# Altium PCB TouchBoard.PcbDoc
Units mil, origin at the board's own origin, x right, y up, seen from the top; angles counter-clockwise.
Board outline 1850.39 x 2992.13 mil, 2 copper layers (Top Layer, Bottom Layer); 32 components, 25 nets, 141 pads, 33 vias.
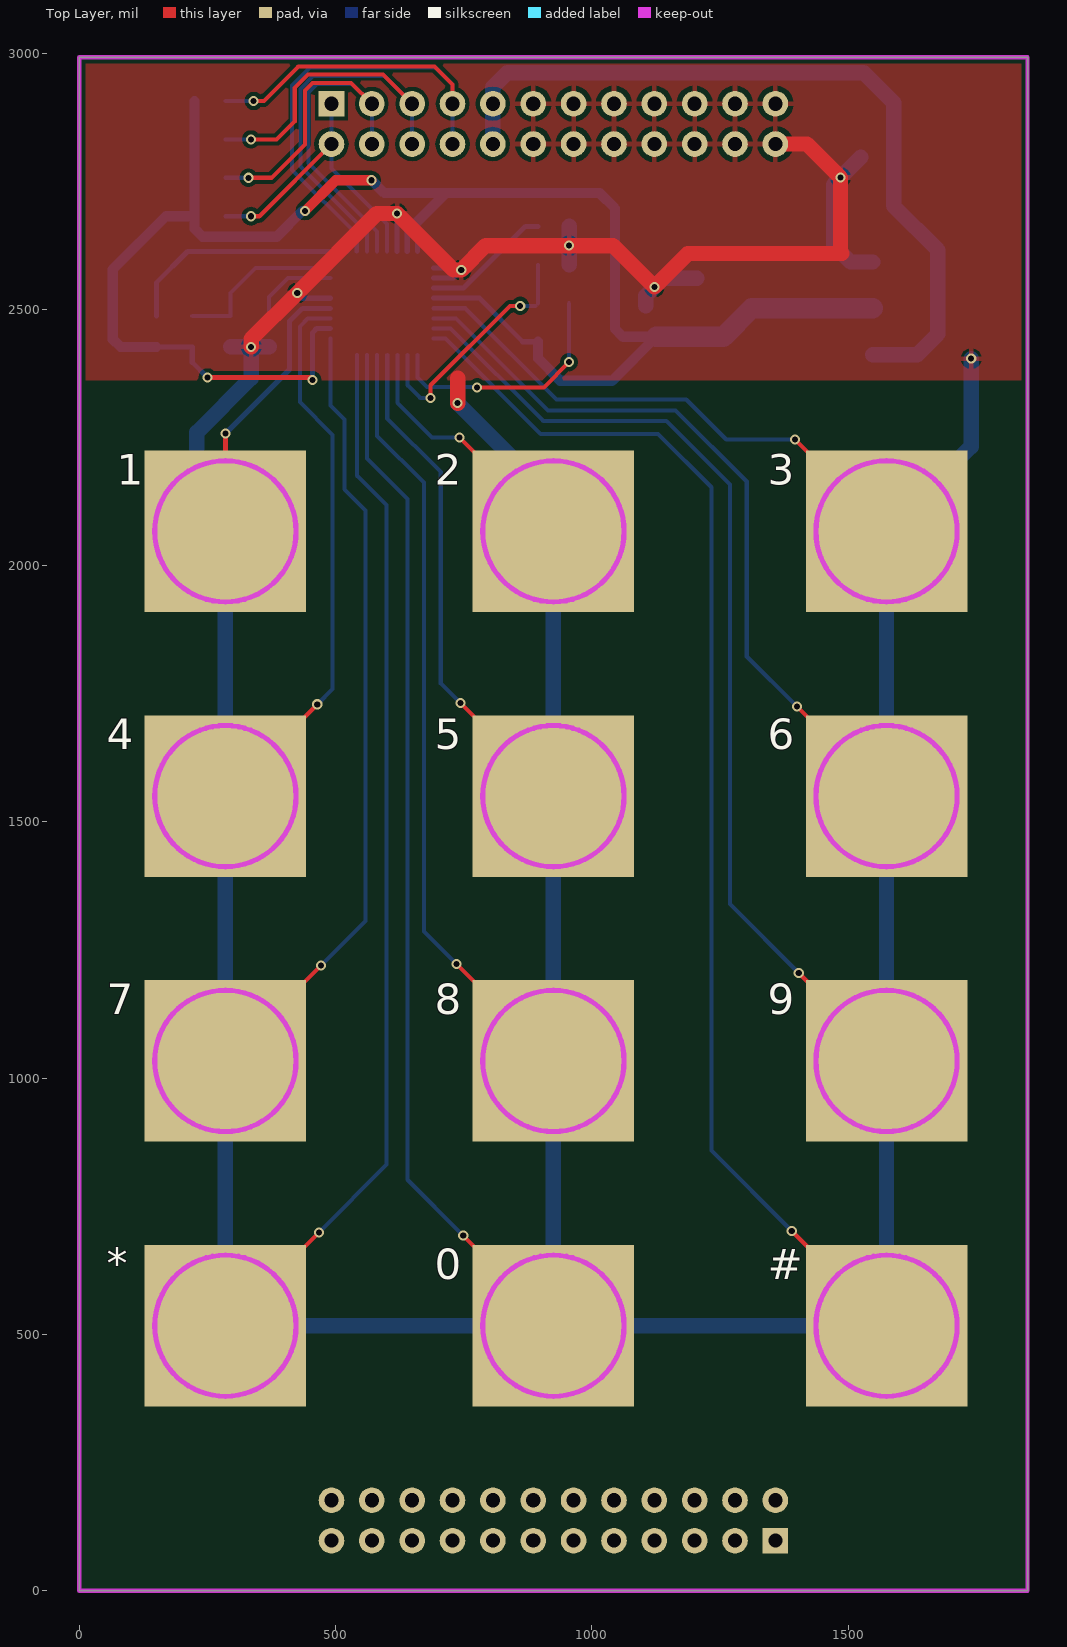
[diagram p0: Top Layer view]
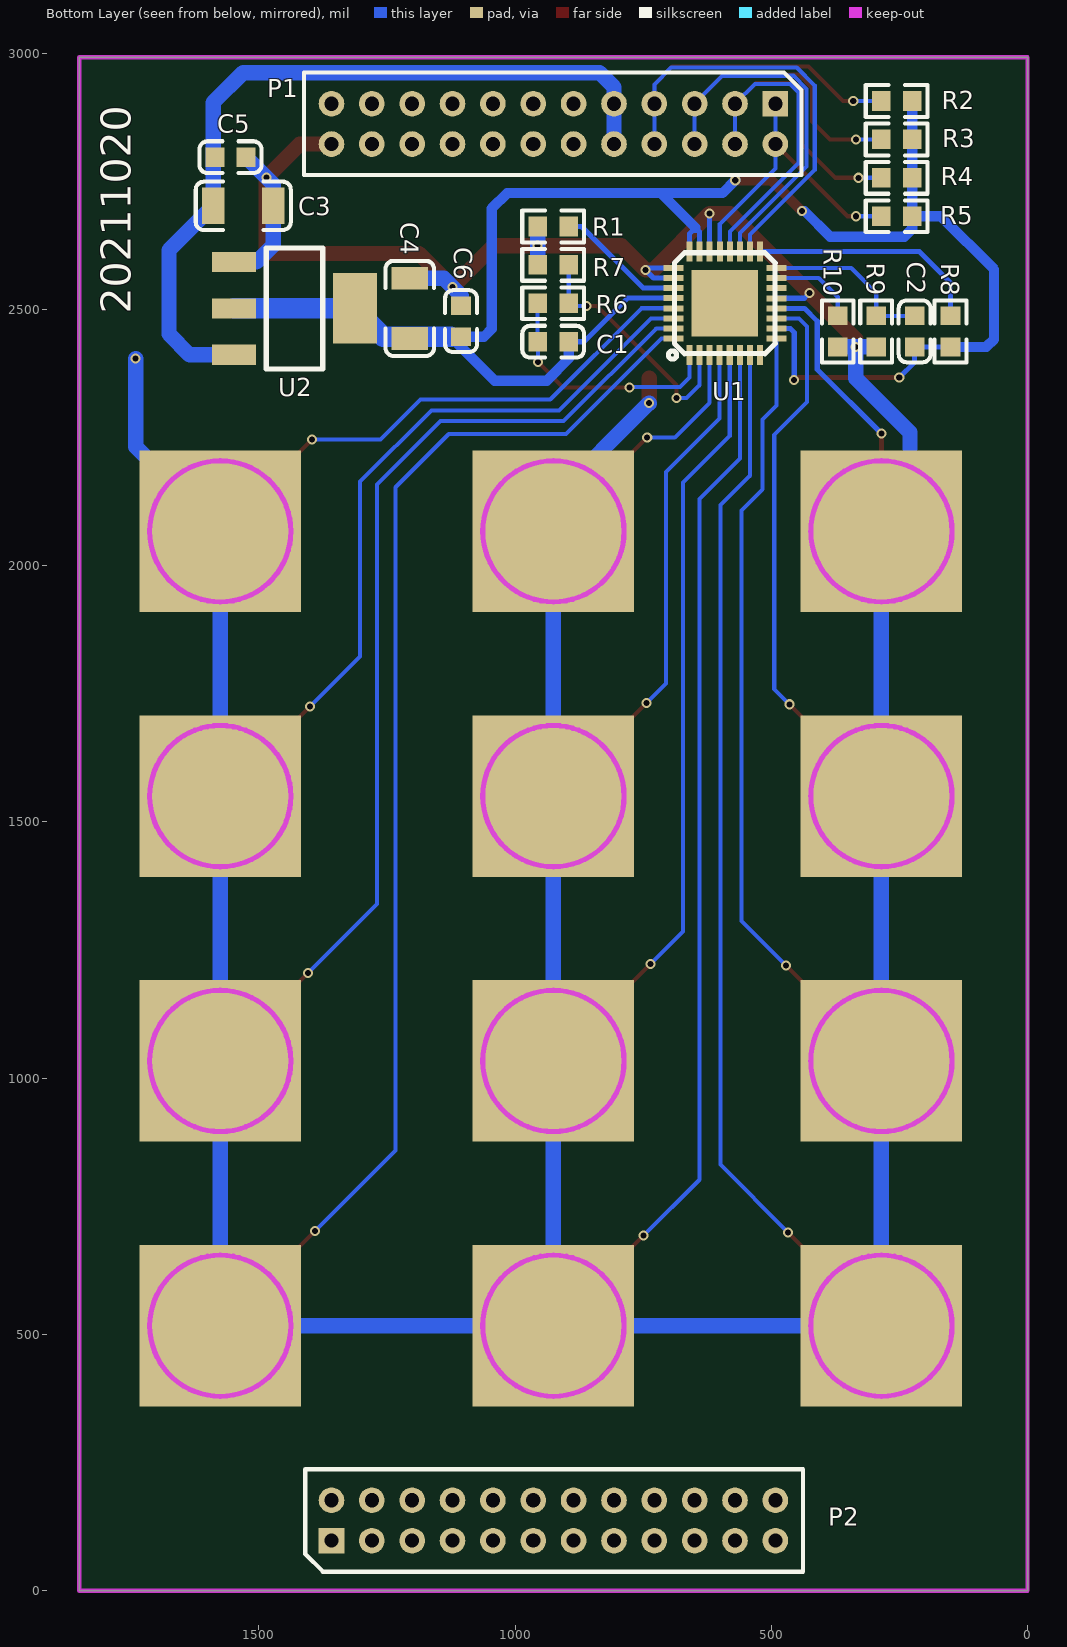
[diagram p1: Bottom Layer view, seen from below]
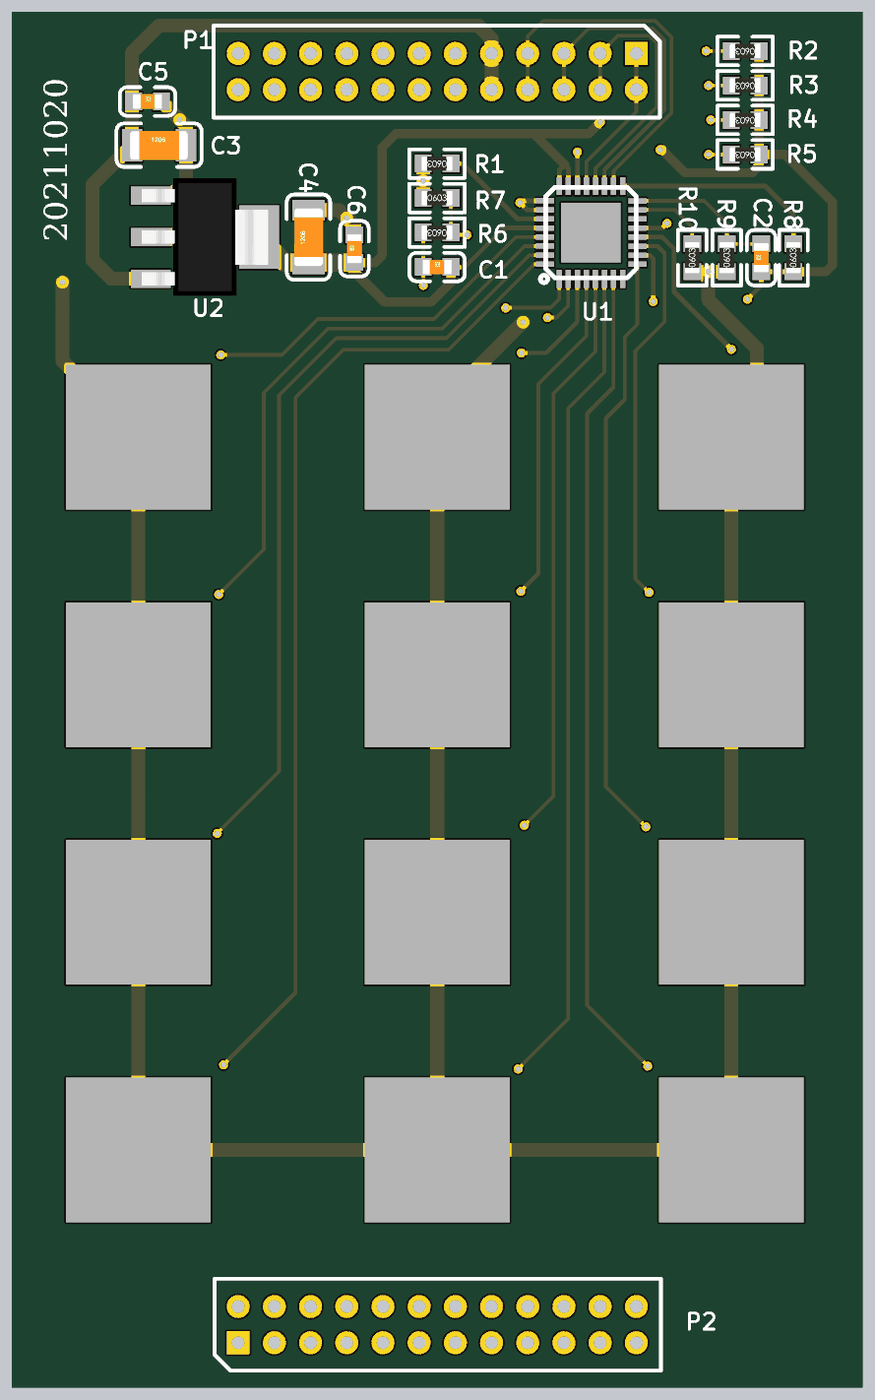
[diagram p2: 3D render of the assembled board from below, using the file's embedded part models]

## Layer stack, top to bottom
Top Solder: solder mask 0.4, Solder Resist, Dk 3.5
Top Layer: signal copper 1.4
Dielectric 1: dielectric 12.6, FR-4, Dk 4.8
Bottom Layer: signal copper 1.4
Bottom Solder: solder mask 0.4, Solder Resist, Dk 3.5

## Board outline
0,0 1850.39,0 1850.39,2992.13 0,2992.13

## Design rules (kind name [scope] priority, off if disabled: settings)
Clearance [All] p1: gap=8
DiffPairsRouting [All] p1: maxlimit=10 minlimit=10 mostfreqgap=10 toplayer_minwidth=8 toplayer_maxwidth=15 toplayer_prefwidth=15 bottomlayer_minwidth=8 bottomlayer_maxwidth=15 bottomlayer_prefwidth=15 maxuncoupledlength=500
PolygonConnect [All] p1: connectstyle=Relief reliefconductorwidth=10 reliefentries=4 polygonreliefangle="90 Angle" airgapwidth=10
RoutingVias [All] p1: holewidth=28 width=50 viastyle="Through Hole" minholewidth=11.81 minwidth=19.68 maxholewidth=28 maxwidth=50
SolderMaskExpansion [All] p1: expansion=4
Width [All] p1: maxlimit=100 minlimit=8 preferedwidth=10 minimp=50.000000 maximp=50.000000 favimp=50.000000
29 further rules are at their usual default settings.

## Components (designator, comment, footprint, x,y, rotation, side; value= is the part's Value field where it differs from the comment)
0 "touchPad" TOUCH_PAD 925.2,517.13 r180 top
1 "touchPad" TOUCH_PAD 285.2,2067.13 r180 top
2 "touchPad" TOUCH_PAD 925.2,2067.13 r180 top
3 "touchPad" TOUCH_PAD 1575.2,2067.13 r180 top
4 "touchPad" TOUCH_PAD 285.2,1550.46 r180 top
5 "touchPad" TOUCH_PAD 925.2,1550.46 r180 top
6 "touchPad" TOUCH_PAD 1575.2,1550.46 r180 top
7 "touchPad" TOUCH_PAD 285.2,1033.79 r180 top
8 "touchPad" TOUCH_PAD 925.2,1033.79 r180 top
9 "touchPad" TOUCH_PAD 1575.2,1033.79 r180 top
# "touchPad" TOUCH_PAD 1575.2,517.13 r180 top
* "touchPad" TOUCH_PAD 285.2,517.13 r180 top
C1 "820pF" 0603_C 925.59,2437.13 r180 bottom
C2 "0.1uF" 0603_C 220.39,2457.32 r90 bottom
C3 "10uF" 1206_C 1530.39,2702.13 r180 bottom
C4 "10uF" 1206_C 1205.39,2502.13 r90 bottom
C5 "0.1uF" 0603_C 1555.39,2797.13 r180 bottom
C6 "0.1uF" 0603_C 1105.39,2477.13 r90 bottom
P1 "Header 12X2" 12X2_2.0MM 492.13,2901.5 r0 bottom
P2 "Header 12X2" 12X2_2.0MM 1358.27,97.76 r180 bottom
R1 "2M" 0603_R 925.59,2662.13 r0 bottom
R2 "10K" 0603_R 255.39,2906.93 r0 bottom
R3 "10K" 0603_R 255.39,2831.93 r0 bottom
R4 "10K" 0603_R 255.39,2756.93 r0 bottom
R5 "10K" 0603_R 255.39,2681.93 r0 bottom
R6 "510K" 0603_R 925.59,2512.13 r0 bottom
R7 "2M" 0603_R 925.59,2587.13 r180 bottom
R8 "10K" 0603_R 150.39,2457.32 r90 bottom
R9 "330K" 0603_R 295.39,2457.32 r90 bottom
R10 "20K" 0603_R 370.39,2457.32 r90 bottom
U1 "TSM12" MLF-32 590.39,2512.13 r180 bottom
U2 "LM1117" SOT-223 1430.39,2502.13 r0 bottom

## Footprints (in the part's own frame and the unit in brackets; to place one, negate y for a bottom-side part, rotate by r counter-clockwise, add the part's x,y. Pads: shape width x height; smd on the part's side, far side on the other; paste and mask are expansions set on the pad)
12X2_2.0MM [mm]
  rect 1.27x1.27 / inner round 1.524 / far side rect 1.27x1.27 hole 0.7: 1(0,0)
  round 1.27 / inner round 1.524 / far side round 1.27 hole 0.7: 2(0,2) 3(2,0) 4(2,2) 5(4,0) 6(4,2) 7(6,0) 8(6,2) 9(8,0) 10(8,2) 11(10,0) 12(10,2) 13(12,0) 14(12,2) 15(14,0) 16(14,2) 17(16,0) 18(16,2) 19(18,0) 20(18,2) 21(20,0) 22(20,2) 23(22,0) 24(22,2)
  silkscreen extent -1.3,-1.54 23.36,3.54
0603_C [mm]
  rect 0.93x0.98 smd: 1(-0.77,0) 2(0.77,0)
  silkscreen extent -1.53,-0.79 1.54,0.79, body extent -0.8,-0.4 0.8,0.4, height 0.3
0603_R [mm]
  rect 0.93x0.98 smd: 1(-0.77,0) 2(0.77,0)
  silkscreen extent -1.53,-0.79 1.54,0.79, body extent -0.85,-0.4 0.85,0.4, height 0.56
1206_C [mm]
  rect 1.13x1.8 smd: 1(-1.49,0) 2(1.49,0)
  silkscreen extent -2.36,-1.2 2.35,1.2, body extent -1.6,-0.81 1.6,0.79, height 1
MLF-32 [mm]
  rect 0.3x1 smd: 1(-1.766,-2.566) 2(-1.268,-2.566) 3(-0.767,-2.566) 4(-0.267,-2.566) 5(0.233,-2.566) 6(0.734,-2.566) 7(1.232,-2.566) 8(1.737,-2.566) 17(1.74,2.566) 18(1.242,2.566) 19(0.741,2.566) 20(0.241,2.566) 21(-0.259,2.566) 22(-0.76,2.566) 23(-1.26,2.566) 24(-1.76,2.566)
  rect 1x0.3 smd: 9(2.553,-1.752) 10(2.553,-1.255) 11(2.553,-0.752) 12(2.553,-0.251) 13(2.553,0.247) 14(2.553,0.749) 15(2.553,1.247) 16(2.553,1.745) 25(-2.553,1.753) 26(-2.553,1.255) 27(-2.553,0.752) 28(-2.553,0.254) 29(-2.553,-0.249) 30(-2.553,-0.747) 31(-2.553,-1.247) 32(-2.553,-1.75)
  rect 3.3x3.3 smd: 33(-0.013,0)
  silkscreen extent -2.81,-2.77 2.49,2.5
SOT-223 [mm]
  rect 2.2x1 smd: 1(3,-2.3) 2(3,0) 3(3,2.3)
  rect 2.2x3.5 smd: 2(-3,0)
  silkscreen extent -1.4,-3 1.4,3, body extent -3.49,-3.24 3.49,3.24, height 1.64
TOUCH_PAD [mm]
  rect 8x8 smd: 1(0,0)
  rect 8x8 smd far side: 2(0,0)
  Keep-Out Layer circle w0.254: c0,0 r3.5

## Part data
C1 C2 C5 C6: library part Cap, "贴片电容，0603"
C3 C4: library part CAPACITOR, "贴片电容，1206"
P1 P2: "Header, 12-Pin, Dual row, 2.0mm"
R1 R2 R3 R4 R5 R6 R7 R8 R9 R10: library part Res2, "贴片电阻，0603"
U1: library part ADSTSM12, "触摸芯片，TSM12M，MLF-32封装"

## Via types
v1: diameter 19.68, hole 11.81, Top Layer to Bottom Layer, 33 vias

## Nets (pads, with @x,y where several pads share a name; then routed paths per layer and width w, separated by ;. In a path a pad name is that pad's centre, name@x,y a point inside that pad or via, vN(x,y) a via of type N, cw(c..) or ccw(c..) an arc to the next point about the centre after c; other vN are vias at no path point)
GND: 0.2 1.2 2.2 3.2 4.2 5.2 6.2 7.2 8.2 9.2 #.2 *.2 C3.2 C4.2 C5.2 C6.2 P1.11 P1.12 P1.13 P1.14 P1.15 P1.16 P1.17 P1.18 P1.19 P1.20 P1.21 P1.22 P1.23 P1.24 R1.2 R7.1 R9.1 R10.1 U1.13 U1.22 U1.25 U1.26 U2.1 | length 9490.1
  Top Layer w30: v1(335.39,2427.13) 335.39,2442.13 v1(425.39,2532.13) 580.48,2687.22 v1(620.3,2687.22) 730.39,2577.13 v1(745.39,2577.13) 792.89,2624.63 v1(955.91,2624.63) 1041.56,2624.63 v1(1122.22,2543.96) 1187.5,2609.23 1488.29,2609.23 1485.39,2612.13 v1(1485.39,2757.44) 1420.08,2822.76 P1.24 ; v1(738.39,2317.13) 738.39,2366.13
  Bottom Layer w10: v1(425.39,2532.13) 435.69,2521.83 U1.13 ; U1.22 v1(620.3,2687.22) ; U1.26 729.8,2561.53 v1(745.39,2577.13) 741.39,2581.13 U1.25
  Bottom Layer w30: 229.39,2228.99 229.39,2260.13 335.39,2366.13 v1@335.39,2427.01 ; 1.2 4.2 7.2 *.2 0.2 ; R9.1 v1@335.39,2427.01 ; v1(335.39,2427.13) v1@335.39,2427.01 ; R10.1 v1@335.39,2427.01 ; v1(738.39,2317.13) 925.2,2130.32 2.2 5.2 8.2 0.2 ; R7.1 v1(955.91,2624.63) R1.2 ; C6.2 1105.39,2527.13 v1(1122.22,2543.96) 1139.06,2560.79 C4.2 ; C5.2 v1(1485.39,2757.44) 1471.73,2743.78 C3.2 1471.73,2625.79 1504.84,2592.68 U2.1 ; v1(1740.39,2404.13) 1740.39,2232.32 3.2 6.2 9.2 #.2 0.2
NetC1_1: C1.1 R6.2 U1.1 | length 482.6
  Top Layer w8: v1(776.39,2348.13) 906.39,2348.13 v1(955.39,2397.13)
  Bottom Layer w8: U1.1 659.9,2367.62 678.55,2348.97 775.55,2348.97 v1(776.39,2348.13) ; v1(955.39,2397.13) 955.39,2436.61 C1.1 R6.2
NetC2_2: C2.2 R9.2 U1.16 | length 334.2
  Bottom Layer w8: C2.2 R9.2 295.39,2532.13 344.1,2580.83 U1.16
NetR1_1: R1.1 U1.27 | length 254.3
  Bottom Layer w10: U1.27 750,2541.73 870.39,2662.13 R1.1
NetR6_1: R6.1 R7.2 U1.2 | length 483.5
  Top Layer w8: v1(685.39,2327.13) 685.39,2352.13 840.39,2507.13 v1(860.39,2507.13)
  Bottom Layer w8: U1.2 640.3,2352.22 665.39,2327.13 v1(685.39,2327.13) ; v1(860.39,2507.13) R6.1@890.28,2507.13 ; R6.1 R7.2
NetR10_2: R10.2 U1.15 | length 171.4
  Bottom Layer w8: R10.2 370.39,2524.13 407.5,2561.23 U1.15
T1: #.1 U1.32 | length 2440.2
  Top Layer w8: v1(1390.2,702.13) #.1
  Bottom Layer w8: U1.32 714.29,2443.23 900.39,2257.13 1129.39,2257.13 1233.39,2153.13 1233.39,858.93 v1(1390.2,702.13)
T2: 9.1 U1.31 | length 1955.8
  Top Layer w8: v1(1403.86,1205.13) 9.1
  Bottom Layer w8: U1.31 724.49,2463.03 905.39,2282.13 1145.39,2282.13 1269.39,2158.13 1269.39,1339.6 v1(1403.86,1205.13)
T3: 6.1 U1.30 | length 1470.1
  Top Layer w8: v1(1400.53,1725.13) 6.1
  Bottom Layer w8: U1.30 734.79,2482.73 914.39,2303.13 1163.39,2303.13 1302.39,2164.13 1302.39,1823.26 v1(1400.53,1725.13)
T4: 3.1 U1.29 | length 1064.6
  Top Layer w8: v1(1396.2,2246.13) 3.1
  Bottom Layer w8: U1.29 753.19,2502.33 931.39,2324.13 1184.39,2324.13 1262.39,2246.13 v1(1396.2,2246.13)
T5: 2.1 U1.3 | length 501.7
  Top Layer w8: v1(742.2,2250.13) 2.1
  Bottom Layer w8: U1.3 620.6,2317.92 688.39,2250.13 v1(742.2,2250.13)
T6: 5.1 U1.4 | length 995
  Top Layer w8: v1(743.53,1732.13) 5.1
  Bottom Layer w8: U1.4 600.9,2287.62 705.39,2183.13 705.39,1770.26 v1(743.53,1732.13)
T7: 8.1 U1.5 | length 1519.8
  Top Layer w8: v1(735.86,1223.13) 8.1
  Bottom Layer w8: U1.5 581.2,2253.32 672.39,2162.13 672.39,1286.6 v1(735.86,1223.13)
T8: 0.1 U1.6 | length 2044.6
  Top Layer w8: v1(749.2,693.13) 0.1
  Bottom Layer w8: U1.6 561.5,2209.02 640.39,2130.13 640.39,801.93 v1(749.2,693.13)
T9: *.1 U1.7 | length 2048
  Top Layer w8: *.1 v1(467.39,699.32)
  Bottom Layer w8: v1(467.39,699.32) 599.39,831.32 599.39,2118.13 541.9,2175.62 U1.7
T10: 7.1 U1.9 | length 1550.9
  Top Layer w8: 7.1 v1(471.39,1219.99)
  Bottom Layer w8: v1(471.39,1219.99) 558.39,1306.99 558.39,2108.13 517.39,2149.13 517.39,2285.13 489.89,2312.63 U1.9
T11: 4.1 U1.11 | length 1095.7
  Top Layer w8: 4.1 v1(464.39,1729.66)
  Bottom Layer w8: v1(464.39,1729.66) 494.39,1759.66 494.39,2255.13 430.39,2319.13 430.39,2467.13 445.8,2482.53 U1.11
T12: 1.1 U1.12 | length 551.8
  Top Layer w10: 1.1 v1(285.2,2257.93)
  Bottom Layer w10: v1(285.2,2257.93) 410.39,2383.13 410.39,2477.13 435.5,2502.23 U1.12
TSM_EN: P1.1 P1.2 R5.2 U1.21 | length 598
  Top Layer w8: v1(335.2,2681.93) 351.3,2681.93 P1.2
  Bottom Layer w8: R5.2 v1(335.2,2681.93) ; P1.1 P1.2 492.13,2775.39 600.6,2666.92 U1.21
TSM_INT: P1.3 P1.4 R4.2 U1.20 | length 1031.2
  Top Layer w8: v1(330.2,2756.93) 375.2,2756.93 440.39,2822.13 440.39,2927.13 455.39,2942.13 530.24,2942.13 P1.3
  Bottom Layer w8: R4.2 v1(330.2,2756.93) ; P1.4 P1.3 532.24,2940.13 463.65,2940.13 447.39,2923.87 447.39,2785.38 580.9,2651.87 U1.20
TSM_OUT1: R8.2 U1.17 | length 461.3
  Bottom Layer w10: R8.2 150.39,2552.13 211.4,2613.13 U1.17
TSM_SCL: P1.7 P1.8 R2.2 U1.18 | length 1356.4
  Top Layer w8: v1(340.2,2906.93) 360.2,2906.93 427.39,2974.13 693.39,2974.13 728.35,2939.17 P1.7
  Bottom Layer w8: R2.2 v1(340.2,2906.93) ; U1.18 541.5,2646.02 415.39,2772.13 415.39,2937.13 450.39,2972.13 695.39,2972.13 728.35,2939.17 P1.7 P1.8
TSM_SDA: P1.5 P1.6 R3.2 U1.19 | length 1179
  Top Layer w8: v1(335.2,2831.93) 385.2,2831.93 420.39,2867.13 420.39,2932.13 446.39,2958.13 592.98,2958.13 P1.5
  Bottom Layer w8: R3.2 v1(335.2,2831.93) ; U1.19 561.2,2648.94 431.39,2778.75 431.39,2930.5 457.02,2956.13 594.98,2956.13 P1.5 P1.6
VCC3.3V: C1.2 C2.1 C4.1 C6.1 R2.1 R3.1 R4.1 R5.1 R8.1 U1.10 U1.23 U1.24 U1.28 U2.2 | length 3554.4
  Top Layer w10: v1(250.39,2367.13) 450.39,2367.13 v1(455.39,2362.13)
  Top Layer w20: v1(440.39,2692.13) 500.39,2752.13 v1(570.39,2752.13)
  Bottom Layer w10: R8.1 C2.1 220.39,2397.13 v1(250.39,2367.13) ; v1(455.39,2362.13) 455.39,2455.13 463,2462.73 U1.10 ; U1.23 640,2651.74 647.89,2659.63 659.7,2647.82 U1.24 ; U1.28 780.39,2522.13 865.39,2437.13 C1.2
  Bottom Layer w20: R8.1 80.51,2427.01 65.39,2442.13 65.39,2578.13 169.2,2681.93 R5.1 ; R2.1 R3.1 R4.1 R5.1 ; v1(440.39,2692.13) 435.39,2692.13 385.39,2642.13 240.39,2642.13 225.08,2657.44 R5.1 ; v1(570.39,2752.13) 595.39,2727.13 715.39,2727.13 ; 647.89,2659.63 715.39,2727.13 ; C1.2 895.28,2404.24 938.39,2361.13 1039.71,2361.13 1125.39,2446.81 ; C6.1 1060.71,2446.81 1045.39,2462.13 1045.39,2697.13 1015.39,2727.13 715.39,2727.13
  Bottom Layer w40: 1125.39,2446.81 1256.97,2446.81 1312.28,2502.13 U2.2@1548.5,2502.13
VCC5V: C3.1 C5.1 P1.9 P1.10 U2.3 | length 1559.8
  Bottom Layer w30: P1.10 P1.9 807.09,2933.82 835.39,2962.13 1530.39,2962.13 1589.06,2903.46 C3.1 1675.39,2615.79 1675.39,2452.13 1634.84,2411.57 U2.3
pads on no net: P2.1 P2.2 P2.3 P2.4 P2.5 P2.6 P2.7 P2.8 P2.9 P2.10 P2.11 P2.12 P2.13 P2.14 P2.15 P2.16 P2.17 P2.18 P2.19 P2.20 P2.21 P2.22 P2.23 P2.24 U1.8 U1.14 U1.33

## Polygon pours and split planes (outlines as drawn)
GND on Top Layer "Top Layer-No Net" (solid, remove dead copper, pour order 3): 1882.39,2362.13 -41.61,2362.13 -177.61,2498.13 -177.61,2832.13 -46.61,2963.13 13.39,3023.13 1231.39,3023.13 1889.39,3023.13 1965.39,2947.13

## Keep-outs
Keep-Out Layer:
  the board outline again, w8

## Silkscreen, mask and mechanical layers (free items; w line width, h text height)
Bottom Overlay:
  text "20211020" at 1730.39,2492.13 h100 r270

## Text inside footprints (layer, text, board x,y; h text height)
P1: Mechanical 8 "2" at 502.13,2822.76 h25 r180; Mechanical 8 "1" at 502.13,2901.5 h25 r180; Mechanical 8 "5" at 659.61,2901.5 h25 r180; Mechanical 8 "6" at 659.61,2822.76 h25 r180; Mechanical 8 "11" at 905.83,2901.5 h25 r180; Mechanical 8 "12" at 905.83,2822.76 h25 r180; Mechanical 8 "9" at 817.09,2901.5 h25 r180; Mechanical 8 "7" at 738.35,2901.5 h25 r180; Mechanical 8 "10" at 827.09,2822.76 h25 r180; Mechanical 8 "8" at 738.35,2822.76 h25 r180; Mechanical 8 "16" at 1063.3,2822.76 h25 r180; Mechanical 8 "20" at 1220.78,2822.76 h25 r180; Mechanical 8 "19" at 1220.78,2901.5 h25 r180; Mechanical 8 "18" at 1142.04,2822.76 h25 r180; Mechanical 8 "17" at 1142.04,2901.5 h25 r180; Mechanical 8 "13" at 984.57,2901.5 h25 r180; Mechanical 8 "4" at 580.87,2822.76 h25 r180; Mechanical 8 "14" at 984.57,2822.76 h25 r180; Mechanical 8 "15" at 1063.3,2901.5 h25 r180; Mechanical 8 "3" at 580.87,2901.5 h25 r180
P2: Mechanical 8 "3" at 1269.53,97.76 h25; Mechanical 8 "15" at 787.09,97.76 h25; Mechanical 8 "14" at 865.83,176.5 h25; Mechanical 8 "4" at 1269.53,176.5 h25; Mechanical 8 "13" at 865.83,97.76 h25; Mechanical 8 "17" at 708.35,97.76 h25; Mechanical 8 "18" at 708.35,176.5 h25; Mechanical 8 "19" at 629.61,97.76 h25; Mechanical 8 "20" at 629.61,176.5 h25; Mechanical 8 "16" at 787.09,176.5 h25; Mechanical 8 "8" at 1112.05,176.5 h25; Mechanical 8 "10" at 1023.31,176.5 h25; Mechanical 8 "7" at 1112.05,97.76 h25; Mechanical 8 "9" at 1033.31,97.76 h25; Mechanical 8 "12" at 944.57,176.5 h25; Mechanical 8 "11" at 944.57,97.76 h25; Mechanical 8 "6" at 1190.79,176.5 h25; Mechanical 8 "5" at 1190.79,97.76 h25; Mechanical 8 "1" at 1348.27,97.76 h25; Mechanical 8 "2" at 1348.27,176.5 h25